# KiCad board ws2812-clock.kicad_pcb
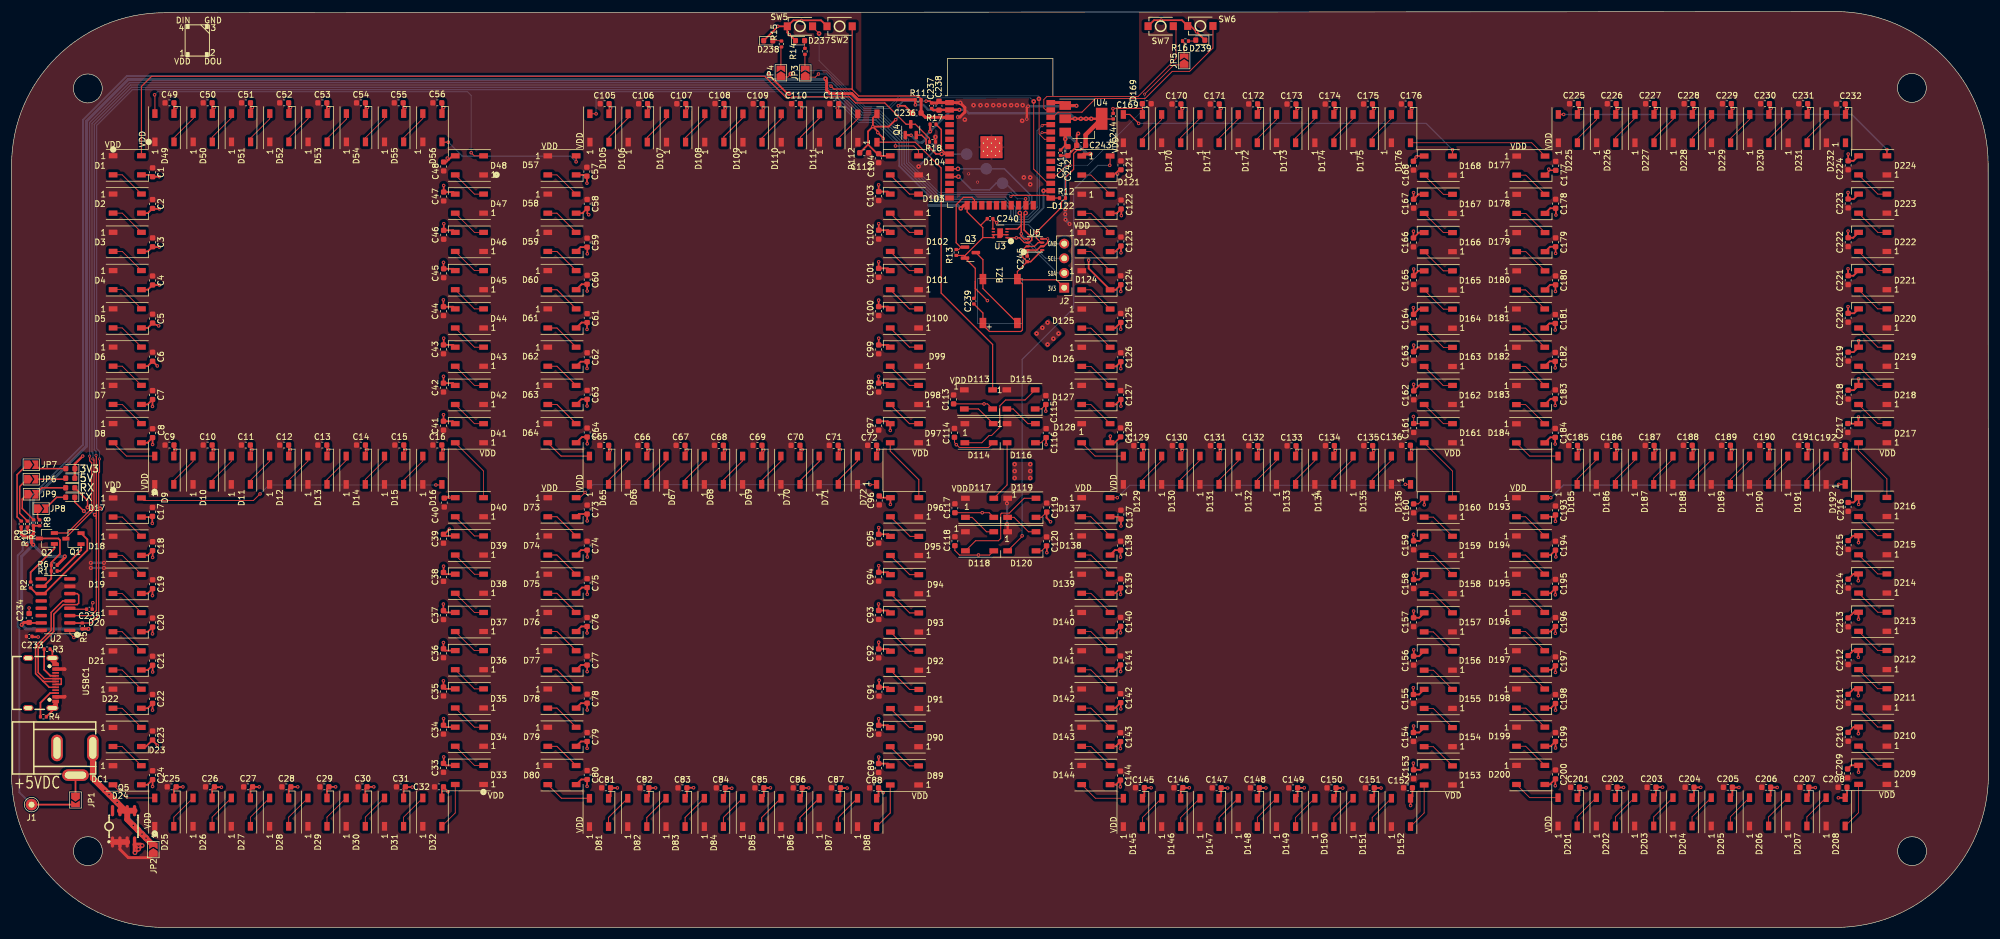
[diagram p0: board, top side]
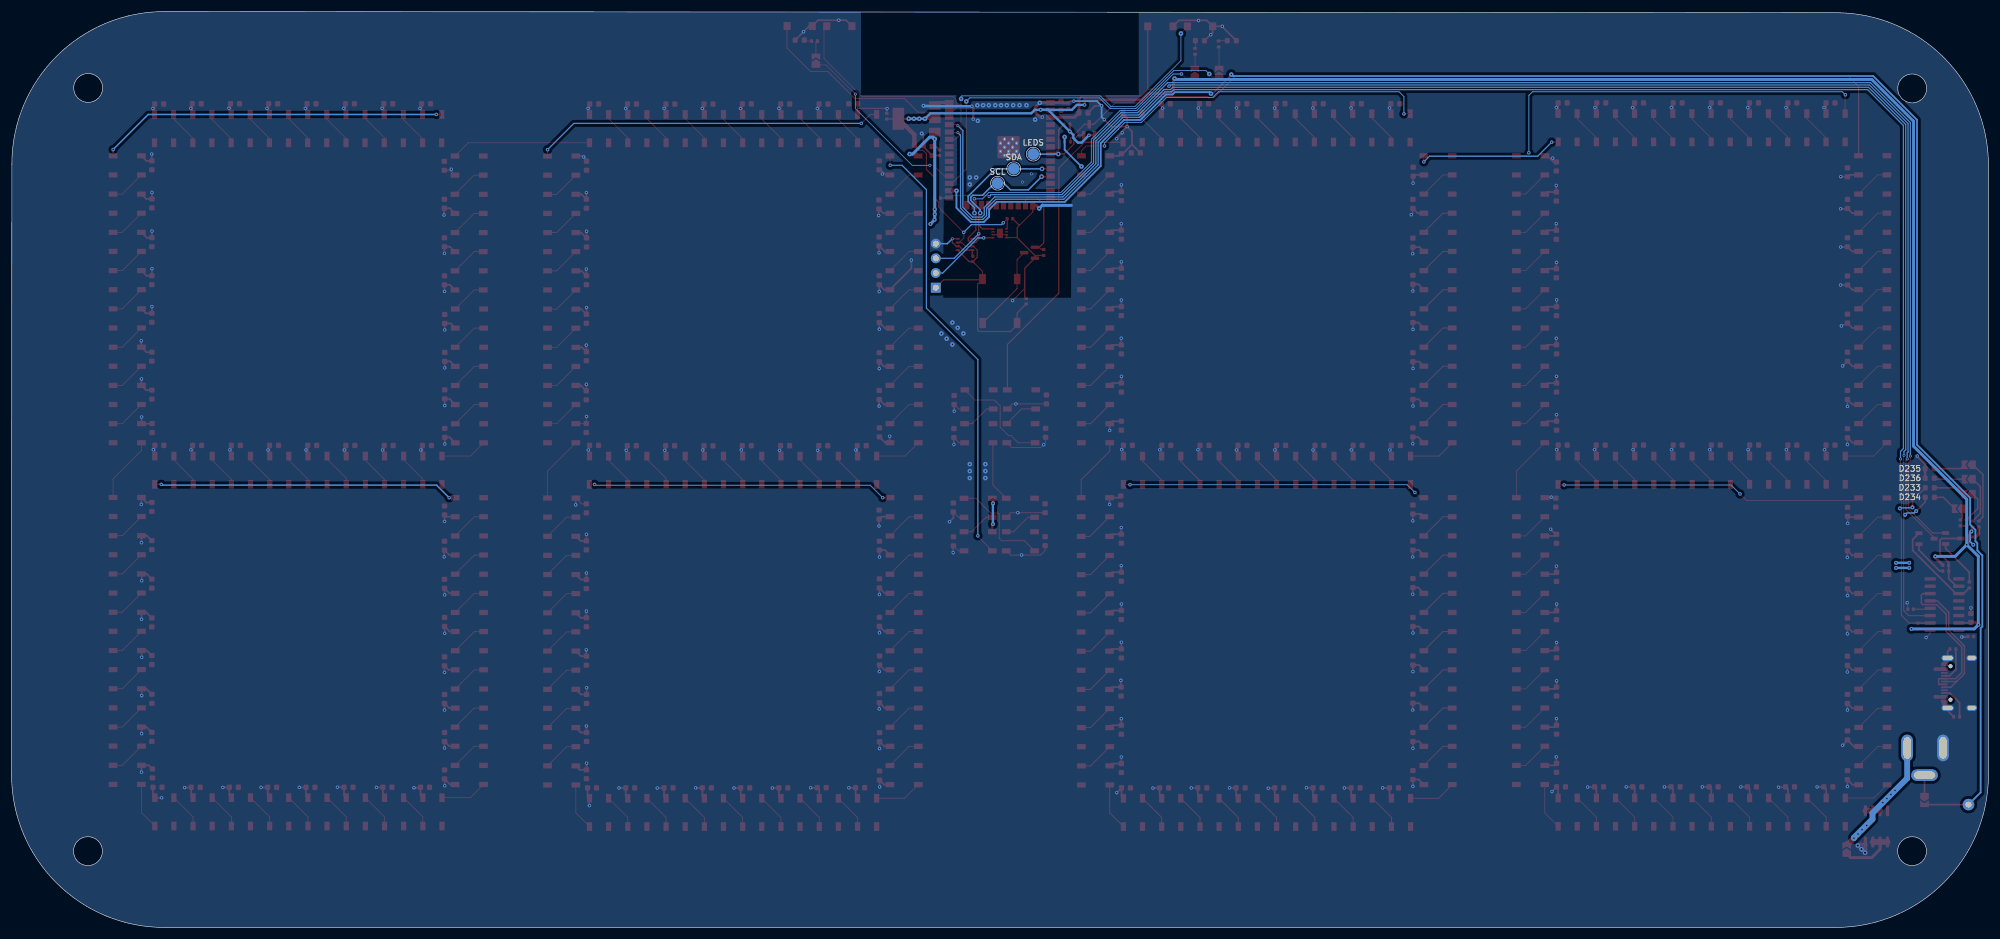
[diagram p1: board, bottom side, seen from below]

Outline 341.75 x 158.45 mm; copper layers: Top, Bottom. Coordinates in mm from the lower left corner of the outline.
Outline path: circle c13.18,145.15 r2.5 ; circle c13.2,13.2 r2.5 ; circle c328.51,145.24 r2.5 ; circle c328.55,13.2 r2.5 ; 0,131.85 arc(7.73,150.52) 26.4,158.25 315.3,158.45 arc(333.97,150.72) 341.7,132.05 341.75,26.4 arc(334.02,7.73) 315.35,0 26.4,0 arc(7.73,7.73) 0,26.4 0,131.85
Stack: Top 0.035mm / dielectric 1.51mm FR4 er 4.5 / Bottom 0.035mm

## Placement (name value [footprint] x y rotation side)
BZ1  -  [Buzzer]  170.9 108.37 90 top
C1  100n  [C_0603_1608Metric]  24.38 130.65 270 top
C2  100n  [C_0603_1608Metric]  24.38 125.17 270 top
C3  100n  [C_0603_1608Metric]  24.38 118.54 270 top
C4  100n  [C_0603_1608Metric]  24.38 111.93 270 top
C5  100n  [C_0603_1608Metric]  24.38 105.33 270 top
C6  100n  [C_0603_1608Metric]  24.38 98.74 270 top
C7  100n  [C_0603_1608Metric]  24.38 92.12 270 top
C8  100n  [C_0603_1608Metric]  24.38 85.52 270 top
C9  100n  [C_0603_1608Metric]  27.3 83.45 0 top
C10  100n  [C_0603_1608Metric]  33.9 83.45 0 top
C11  100n  [C_0603_1608Metric]  40.5 83.45 0 top
C12  100n  [C_0603_1608Metric]  47.13 83.45 0 top
C13  100n  [C_0603_1608Metric]  53.73 83.45 0 top
C14  100n  [C_0603_1608Metric]  60.4 83.45 0 top
C15  100n  [C_0603_1608Metric]  67.03 83.45 0 top
C16  100n  [C_0603_1608Metric]  73.6 83.45 0 top
C17  100n  [C_0603_1608Metric]  24.35 71.9 270 top
C18  100n  [C_0603_1608Metric]  24.38 65.97 270 top
C19  100n  [C_0603_1608Metric]  24.38 59.38 270 top
C20  100n  [C_0603_1608Metric]  24.38 52.75 270 top
C21  100n  [C_0603_1608Metric]  24.38 46.15 270 top
C22  100n  [C_0603_1608Metric]  24.38 39.54 270 top
C23  100n  [C_0603_1608Metric]  24.38 33.22 270 top
C24  100n  [C_0603_1608Metric]  24.38 26.35 270 top
C25  100n  [C_0603_1608Metric]  27.68 24.32 0 top
C26  100n  [C_0603_1608Metric]  34.3 24.32 0 top
C27  100n  [C_0603_1608Metric]  40.89 24.32 0 top
C28  100n  [C_0603_1608Metric]  47.5 24.32 0 top
C29  100n  [C_0603_1608Metric]  54.08 24.32 0 top
C30  100n  [C_0603_1608Metric]  60.68 24.32 0 top
C31  100n  [C_0603_1608Metric]  67.3 24.32 0 top
C32  100n  [C_0603_1608Metric]  73.89 24.32 0 top
C33  100n  [C_0603_1608Metric]  74.67 27.6 90 top
C34  100n  [C_0603_1608Metric]  74.67 34.21 90 top
C35  100n  [C_0603_1608Metric]  74.67 40.81 90 top
C36  100n  [C_0603_1608Metric]  74.67 47.43 90 top
C37  100n  [C_0603_1608Metric]  74.67 54.02 90 top
C38  100n  [C_0603_1608Metric]  74.67 60.64 90 top
C39  100n  [C_0603_1608Metric]  74.67 67.24 90 top
C40  100n  [C_0603_1608Metric]  74.8 73.5 90 top
C41  100n  [C_0603_1608Metric]  74.67 86.8 90 top
C42  100n  [C_0603_1608Metric]  74.67 93.39 90 top
C43  100n  [C_0603_1608Metric]  74.67 100.01 90 top
C44  100n  [C_0603_1608Metric]  74.67 106.61 90 top
C45  100n  [C_0603_1608Metric]  74.7 113.17 90 top
C46  100n  [C_0603_1608Metric]  74.7 119.82 90 top
C47  100n  [C_0603_1608Metric]  74.7 126.45 90 top
C48  100n  [C_0603_1608Metric]  74.7 131.65 90 top
C49  100n  [C_0603_1608Metric]  27.3 142.65 0 top
C50  100n  [C_0603_1608Metric]  33.9 142.65 0 top
C51  100n  [C_0603_1608Metric]  40.52 142.65 0 top
C52  100n  [C_0603_1608Metric]  47.13 142.65 0 top
C53  100n  [C_0603_1608Metric]  53.73 142.65 0 top
C54  100n  [C_0603_1608Metric]  60.4 142.65 0 top
C55  100n  [C_0603_1608Metric]  66.93 142.65 0 top
C56  100n  [C_0603_1608Metric]  73.6 142.65 0 top
C57  100n  [C_0603_1608Metric]  99.45 130.75 270 top
C58  100n  [C_0603_1608Metric]  99.5 125.17 270 top
C59  100n  [C_0603_1608Metric]  99.5 118.47 270 top
C60  100n  [C_0603_1608Metric]  99.5 112.05 270 top
C61  100n  [C_0603_1608Metric]  99.5 105.42 270 top
C62  100n  [C_0603_1608Metric]  99.5 98.65 270 top
C63  100n  [C_0603_1608Metric]  99.5 92.15 270 top
C64  100n  [C_0603_1608Metric]  99.5 85.62 270 top
C65  100n  [C_0603_1608Metric]  102.45 83.4 0 top
C66  100n  [C_0603_1608Metric]  109.05 83.4 0 top
C67  100n  [C_0603_1608Metric]  115.65 83.4 0 top
C68  100n  [C_0603_1608Metric]  122.28 83.4 0 top
C69  100n  [C_0603_1608Metric]  128.95 83.4 0 top
C70  100n  [C_0603_1608Metric]  135.53 83.4 0 top
C71  100n  [C_0603_1608Metric]  142.12 83.4 0 top
C72  100n  [C_0603_1608Metric]  148.76 83.41 0 top
C73  100n  [C_0603_1608Metric]  99.5 72.3 270 top
C74  100n  [C_0603_1608Metric]  99.5 66.05 270 top
C75  100n  [C_0603_1608Metric]  99.5 59.57 270 top
C76  100n  [C_0603_1608Metric]  99.5 52.85 270 top
C77  100n  [C_0603_1608Metric]  99.5 46.17 270 top
C78  100n  [C_0603_1608Metric]  99.5 39.57 270 top
C79  100n  [C_0603_1608Metric]  99.5 32.95 270 top
C80  100n  [C_0603_1608Metric]  99.5 26.38 270 top
C81  100n  [C_0603_1608Metric]  102.78 24.15 0 top
C82  100n  [C_0603_1608Metric]  109.4 24.15 0 top
C83  100n  [C_0603_1608Metric]  115.97 24.15 0 top
C84  100n  [C_0603_1608Metric]  122.6 24.15 0 top
C85  100n  [C_0603_1608Metric]  129.28 24.15 0 top
C86  100n  [C_0603_1608Metric]  135.9 24.15 0 top
C87  100n  [C_0603_1608Metric]  142.5 24.15 0 top
C88  100n  [C_0603_1608Metric]  149.1 24.15 0 top
C89  100n  [C_0603_1608Metric]  149.9 27.57 90 top
C90  100n  [C_0603_1608Metric]  149.9 34.2 90 top
C91  100n  [C_0603_1608Metric]  149.95 40.8 90 top
C92  100n  [C_0603_1608Metric]  149.9 47.4 90 top
C93  100n  [C_0603_1608Metric]  149.9 54.05 90 top
C94  100n  [C_0603_1608Metric]  149.9 60.67 90 top
C95  100n  [C_0603_1608Metric]  149.9 67.25 90 top
C96  100n  [C_0603_1608Metric]  150 73.88 90 top
C97  100n  [C_0603_1608Metric]  149.9 86.8 90 top
C98  100n  [C_0603_1608Metric]  149.9 93.4 90 top
C99  100n  [C_0603_1608Metric]  149.9 100 90 top
C100  100n  [C_0603_1608Metric]  149.9 106.62 90 top
C101  100n  [C_0603_1608Metric]  149.9 113.25 90 top
C102  100n  [C_0603_1608Metric]  149.9 119.85 90 top
C103  100n  [C_0603_1608Metric]  149.9 126.52 90 top
C104  100n  [C_0603_1608Metric]  149.9 133.07 90 top
C105  100n  [C_0603_1608Metric]  102.53 142.5 0 top
C106  100n  [C_0603_1608Metric]  109.17 142.5 0 top
C107  100n  [C_0603_1608Metric]  115.78 142.5 0 top
C108  100n  [C_0603_1608Metric]  122.38 142.52 0 top
C109  100n  [C_0603_1608Metric]  128.97 142.5 0 top
C110  100n  [C_0603_1608Metric]  135.6 142.5 0 top
C111  100n  [C_0603_1608Metric]  142.22 142.5 0 top
C112  100n  [C_0603_1608Metric]  147.4 134.01 180 top
C113  100n  [C_0603_1608Metric]  162.85 91.35 270 top
C114  100n  [C_0603_1608Metric]  163 85.57 270 top
C115  100n  [C_0603_1608Metric]  178.8 91.25 270 top
C116  100n  [C_0603_1608Metric]  178.85 85.52 270 top
C117  100n  [C_0603_1608Metric]  163.07 72.52 270 top
C118  100n  [C_0603_1608Metric]  163.07 66.82 270 top
C119  100n  [C_0603_1608Metric]  178.95 72.65 270 top
C120  100n  [C_0603_1608Metric]  178.92 66.8 270 top
C121  100n  [C_0603_1608Metric]  191.78 131.85 270 top
C122  100n  [C_0603_1608Metric]  191.8 125.07 270 top
C123  100n  [C_0603_1608Metric]  191.78 118.67 270 top
C124  100n  [C_0603_1608Metric]  191.75 111.97 270 top
C125  100n  [C_0603_1608Metric]  191.75 105.45 270 top
C126  100n  [C_0603_1608Metric]  191.75 98.65 270 top
C127  100n  [C_0603_1608Metric]  191.75 92.12 270 top
C128  100n  [C_0603_1608Metric]  191.72 85.65 270 top
C129  100n  [C_0603_1608Metric]  194.78 83.35 0 top
C130  100n  [C_0603_1608Metric]  201.42 83.35 0 top
C131  100n  [C_0603_1608Metric]  208.03 83.35 0 top
C132  100n  [C_0603_1608Metric]  214.65 83.35 0 top
C133  100n  [C_0603_1608Metric]  221.28 83.32 0 top
C134  100n  [C_0603_1608Metric]  227.9 83.35 0 top
C135  100n  [C_0603_1608Metric]  234.53 83.35 0 top
C136  100n  [C_0603_1608Metric]  241.05 83.4 0 top
C137  100n  [C_0603_1608Metric]  191.78 71.42 270 top
C138  100n  [C_0603_1608Metric]  191.72 66.05 270 top
C139  100n  [C_0603_1608Metric]  191.72 59.52 270 top
C140  100n  [C_0603_1608Metric]  191.72 52.88 270 top
C141  100n  [C_0603_1608Metric]  191.7 46.2 270 top
C142  100n  [C_0603_1608Metric]  191.72 39.67 270 top
C143  100n  [C_0603_1608Metric]  191.7 32.92 270 top
C144  100n  [C_0603_1608Metric]  191.7 26.27 270 top
C145  100n  [C_0603_1608Metric]  195.05 24.17 0 top
C146  100n  [C_0603_1608Metric]  201.7 24.17 0 top
C147  100n  [C_0603_1608Metric]  208.32 24.15 0 top
C148  100n  [C_0603_1608Metric]  214.92 24.15 0 top
C149  100n  [C_0603_1608Metric]  221.55 24.15 0 top
C150  100n  [C_0603_1608Metric]  228.17 24.15 0 top
C151  100n  [C_0603_1608Metric]  234.8 24.15 0 top
C152  100n  [C_0603_1608Metric]  241.4 24.15 0 top
C153  100n  [C_0603_1608Metric]  242.37 26.5 90 top
C154  100n  [C_0603_1608Metric]  242.35 32.95 90 top
C155  100n  [C_0603_1608Metric]  242.35 39.52 90 top
C156  100n  [C_0603_1608Metric]  242.37 46.15 90 top
C157  100n  [C_0603_1608Metric]  242.37 52.8 90 top
C158  100n  [C_0603_1608Metric]  242.37 59.4 90 top
C159  100n  [C_0603_1608Metric]  242.37 66.1 90 top
C160  100n  [C_0603_1608Metric]  242.37 72.5 90 top
C161  100n  [C_0603_1608Metric]  242.4 86.4 90 top
C162  100n  [C_0603_1608Metric]  242.4 92.05 90 top
C163  100n  [C_0603_1608Metric]  242.37 98.82 90 top
C164  100n  [C_0603_1608Metric]  242.37 105.3 90 top
C165  100n  [C_0603_1608Metric]  242.37 111.97 90 top
C166  100n  [C_0603_1608Metric]  242.35 118.5 90 top
C167  100n  [C_0603_1608Metric]  242.37 125.2 90 top
C168  100n  [C_0603_1608Metric]  242.35 131.77 90 top
C169  100n  [C_0603_1608Metric]  196.25 142.5 180 top
C170  100n  [C_0603_1608Metric]  201.38 142.45 0 top
C171  100n  [C_0603_1608Metric]  208 142.45 0 top
C172  100n  [C_0603_1608Metric]  214.64 142.46 0 top
C173  100n  [C_0603_1608Metric]  221.26 142.44 0 top
C174  100n  [C_0603_1608Metric]  227.87 142.44 0 top
C175  100n  [C_0603_1608Metric]  234.49 142.45 0 top
C176  100n  [C_0603_1608Metric]  241.03 142.46 0 top
C177  100n  [C_0603_1608Metric]  266.95 131.76 270 top
C178  100n  [C_0603_1608Metric]  266.93 125.2 270 top
C179  100n  [C_0603_1608Metric]  266.92 118.54 270 top
C180  100n  [C_0603_1608Metric]  266.92 111.95 270 top
C181  100n  [C_0603_1608Metric]  266.87 105.27 270 top
C182  100n  [C_0603_1608Metric]  266.86 98.71 270 top
C183  100n  [C_0603_1608Metric]  266.87 92.23 270 top
C184  100n  [C_0603_1608Metric]  266.86 85.56 270 top
C185  100n  [C_0603_1608Metric]  269.94 83.38 0 top
C186  100n  [C_0603_1608Metric]  276.56 83.38 0 top
C187  100n  [C_0603_1608Metric]  283.18 83.38 0 top
C188  100n  [C_0603_1608Metric]  289.78 83.4 0 top
C189  100n  [C_0603_1608Metric]  296.38 83.4 0 top
C190  100n  [C_0603_1608Metric]  302.98 83.4 0 top
C191  100n  [C_0603_1608Metric]  309.68 83.4 0 top
C192  100n  [C_0603_1608Metric]  316.2 83.4 0 top
C193  100n  [C_0603_1608Metric]  266.9 72.15 270 top
C194  100n  [C_0603_1608Metric]  266.9 66.05 270 top
C195  100n  [C_0603_1608Metric]  266.9 59.45 270 top
C196  100n  [C_0603_1608Metric]  266.9 52.85 270 top
C197  100n  [C_0603_1608Metric]  266.9 46.05 270 top
C198  100n  [C_0603_1608Metric]  266.9 39.52 270 top
C199  100n  [C_0603_1608Metric]  266.9 32.95 270 top
C200  100n  [C_0603_1608Metric]  266.9 26.47 270 top
C201  100n  [C_0603_1608Metric]  270.28 24.25 0 top
C202  100n  [C_0603_1608Metric]  276.78 24.25 0 top
C203  100n  [C_0603_1608Metric]  283.5 24.25 0 top
C204  100n  [C_0603_1608Metric]  290.08 24.25 0 top
C205  100n  [C_0603_1608Metric]  296.7 24.25 0 top
C206  100n  [C_0603_1608Metric]  303.33 24.25 0 top
C207  100n  [C_0603_1608Metric]  309.93 24.25 0 top
C208  100n  [C_0603_1608Metric]  316.53 24.25 0 top
C209  100n  [C_0603_1608Metric]  317.4 26.65 90 top
C210  100n  [C_0603_1608Metric]  317.5 32.97 90 top
C211  100n  [C_0603_1608Metric]  317.5 39.55 90 top
C212  100n  [C_0603_1608Metric]  317.5 46.25 90 top
C213  100n  [C_0603_1608Metric]  317.5 52.77 90 top
C214  100n  [C_0603_1608Metric]  317.5 59.47 90 top
C215  100n  [C_0603_1608Metric]  317.5 66.15 90 top
C216  100n  [C_0603_1608Metric]  317.5 72.75 90 top
C217  100n  [C_0603_1608Metric]  317.45 86.4 90 top
C218  100n  [C_0603_1608Metric]  317.5 92.17 90 top
C219  100n  [C_0603_1608Metric]  317.5 98.75 90 top
C220  100n  [C_0603_1608Metric]  317.5 105.47 90 top
C221  100n  [C_0603_1608Metric]  317.5 111.97 90 top
C222  100n  [C_0603_1608Metric]  317.5 118.55 90 top
C223  100n  [C_0603_1608Metric]  317.5 125.25 90 top
C224  100n  [C_0603_1608Metric]  317.5 131.85 90 top
C225  100n  [C_0603_1608Metric]  270.1 142.5 0 top
C226  100n  [C_0603_1608Metric]  276.62 142.5 0 top
C227  100n  [C_0603_1608Metric]  283.25 142.5 0 top
C228  100n  [C_0603_1608Metric]  289.9 142.5 0 top
C229  100n  [C_0603_1608Metric]  296.53 142.5 0 top
C230  100n  [C_0603_1608Metric]  303.12 142.5 0 top
C231  100n  [C_0603_1608Metric]  309.73 142.5 0 top
C232  100n  [C_0603_1608Metric]  316.23 142.45 0 top
C233  100n  [C_0402_1005Metric]  3.05 50.35 180 top
C234  1u  [C_0603_1608Metric]  3.04 53.54 270 top
C235  100n  [C_0402_1005Metric]  13.45 55.05 180 top
C236  10u  [C_0603_1608Metric]  156.46 140.9 0 top
C237  100n  [C_0402_1005Metric]  159.06 142.16 270 top
C238  10u  [C_0603_1608Metric]  160.33 142.17 270 top
C239  100n  [C_0402_1005Metric]  166.35 108.35 270 top
C240  100n  [C_0402_1005Metric]  169.16 122.61 180 top
C241  100n  [C_0402_1005Metric]  181.35 134.02 90 top
C242  10u  [C_0603_1608Metric]  182.62 134.31 90 top
C243  10u  [C_0603_1608Metric]  184.9 135.31 180 top
C244  100n  [C_0402_1005Metric]  190.45 140.35 90 top
C245  100n  [C_0402_1005Metric]  175.57 115.66 90 top
D1  WS2812B  [LED_WS2812B_PLCC4_5.0x5.0mm_P3.2mm]  20 131.85 0 top
D2  WS2812B  [LED_WS2812B_PLCC4_5.0x5.0mm_P3.2mm]  20 125.23 0 top
D3  WS2812B  [LED_WS2812B_PLCC4_5.0x5.0mm_P3.2mm]  20 118.61 0 top
D4  WS2812B  [LED_WS2812B_PLCC4_5.0x5.0mm_P3.2mm]  20 111.99 0 top
D5  WS2812B  [LED_WS2812B_PLCC4_5.0x5.0mm_P3.2mm]  20 105.37 0 top
D6  WS2812B  [LED_WS2812B_PLCC4_5.0x5.0mm_P3.2mm]  20 98.75 0 top
D7  WS2812B  [LED_WS2812B_PLCC4_5.0x5.0mm_P3.2mm]  20 92.13 0 top
D8  WS2812B  [LED_WS2812B_PLCC4_5.0x5.0mm_P3.2mm]  20 85.51 0 top
D9  WS2812B  [LED_WS2812B_PLCC4_5.0x5.0mm_P3.2mm]  26.4 79.1 90 top
D10  WS2812B  [LED_WS2812B_PLCC4_5.0x5.0mm_P3.2mm]  33.02 79.1 90 top
D11  WS2812B  [LED_WS2812B_PLCC4_5.0x5.0mm_P3.2mm]  39.64 79.1 90 top
D12  WS2812B  [LED_WS2812B_PLCC4_5.0x5.0mm_P3.2mm]  46.26 79.1 90 top
D13  WS2812B  [LED_WS2812B_PLCC4_5.0x5.0mm_P3.2mm]  52.88 79.1 90 top
D14  WS2812B  [LED_WS2812B_PLCC4_5.0x5.0mm_P3.2mm]  59.5 79.1 90 top
D15  WS2812B  [LED_WS2812B_PLCC4_5.0x5.0mm_P3.2mm]  66.12 79.1 90 top
D16  WS2812B  [LED_WS2812B_PLCC4_5.0x5.0mm_P3.2mm]  72.74 79.1 90 top
D17  WS2812B  [LED_WS2812B_PLCC4_5.0x5.0mm_P3.2mm]  20 72.65 0 top
D18  WS2812B  [LED_WS2812B_PLCC4_5.0x5.0mm_P3.2mm]  20 66.03 0 top
D19  WS2812B  [LED_WS2812B_PLCC4_5.0x5.0mm_P3.2mm]  19.98 59.43 0 top
D20  WS2812B  [LED_WS2812B_PLCC4_5.0x5.0mm_P3.2mm]  19.98 52.81 0 top
D21  WS2812B  [LED_WS2812B_PLCC4_5.0x5.0mm_P3.2mm]  19.98 46.19 0 top
D22  WS2812B  [LED_WS2812B_PLCC4_5.0x5.0mm_P3.2mm]  19.98 39.57 0 top
D23  WS2812B  [LED_WS2812B_PLCC4_5.0x5.0mm_P3.2mm]  19.98 32.95 0 top
D24  WS2812B  [LED_WS2812B_PLCC4_5.0x5.0mm_P3.2mm]  19.98 26.33 0 top
D25  WS2812B  [LED_WS2812B_PLCC4_5.0x5.0mm_P3.2mm]  26.4 19.95 90 top
D26  WS2812B  [LED_WS2812B_PLCC4_5.0x5.0mm_P3.2mm]  33.02 19.95 90 top
D27  WS2812B  [LED_WS2812B_PLCC4_5.0x5.0mm_P3.2mm]  39.64 19.95 90 top
D28  WS2812B  [LED_WS2812B_PLCC4_5.0x5.0mm_P3.2mm]  46.26 19.95 90 top
D29  WS2812B  [LED_WS2812B_PLCC4_5.0x5.0mm_P3.2mm]  52.88 19.95 90 top
D30  WS2812B  [LED_WS2812B_PLCC4_5.0x5.0mm_P3.2mm]  59.5 19.95 90 top
D31  WS2812B  [LED_WS2812B_PLCC4_5.0x5.0mm_P3.2mm]  66.12 19.95 90 top
D32  WS2812B  [LED_WS2812B_PLCC4_5.0x5.0mm_P3.2mm]  72.74 19.95 90 top
D33  WS2812B  [LED_WS2812B_PLCC4_5.0x5.0mm_P3.2mm]  79.15 26.38 180 top
D34  WS2812B  [LED_WS2812B_PLCC4_5.0x5.0mm_P3.2mm]  79.15 33 180 top
D35  WS2812B  [LED_WS2812B_PLCC4_5.0x5.0mm_P3.2mm]  79.15 39.62 180 top
D36  WS2812B  [LED_WS2812B_PLCC4_5.0x5.0mm_P3.2mm]  79.15 46.24 180 top
D37  WS2812B  [LED_WS2812B_PLCC4_5.0x5.0mm_P3.2mm]  79.15 52.84 180 top
D38  WS2812B  [LED_WS2812B_PLCC4_5.0x5.0mm_P3.2mm]  79.15 59.46 180 top
D39  WS2812B  [LED_WS2812B_PLCC4_5.0x5.0mm_P3.2mm]  79.15 66.08 180 top
D40  WS2812B  [LED_WS2812B_PLCC4_5.0x5.0mm_P3.2mm]  79.15 72.7 180 top
D41  WS2812B  [LED_WS2812B_PLCC4_5.0x5.0mm_P3.2mm]  79.15 85.5 180 top
D42  WS2812B  [LED_WS2812B_PLCC4_5.0x5.0mm_P3.2mm]  79.15 92.12 180 top
D43  WS2812B  [LED_WS2812B_PLCC4_5.0x5.0mm_P3.2mm]  79.15 98.74 180 top
D44  WS2812B  [LED_WS2812B_PLCC4_5.0x5.0mm_P3.2mm]  79.15 105.36 180 top
D45  WS2812B  [LED_WS2812B_PLCC4_5.0x5.0mm_P3.2mm]  79.15 111.98 180 top
D46  WS2812B  [LED_WS2812B_PLCC4_5.0x5.0mm_P3.2mm]  79.15 118.6 180 top
D47  WS2812B  [LED_WS2812B_PLCC4_5.0x5.0mm_P3.2mm]  79.15 125.22 180 top
D48  WS2812B  [LED_WS2812B_PLCC4_5.0x5.0mm_P3.2mm]  79.15 131.84 180 top
D49  WS2812B  [LED_WS2812B_PLCC4_5.0x5.0mm_P3.2mm]  26.43 138.35 90 top
D50  WS2812B  [LED_WS2812B_PLCC4_5.0x5.0mm_P3.2mm]  33.05 138.35 90 top
D51  WS2812B  [LED_WS2812B_PLCC4_5.0x5.0mm_P3.2mm]  39.67 138.35 90 top
D52  WS2812B  [LED_WS2812B_PLCC4_5.0x5.0mm_P3.2mm]  46.29 138.35 90 top
D53  WS2812B  [LED_WS2812B_PLCC4_5.0x5.0mm_P3.2mm]  52.91 138.35 90 top
D54  WS2812B  [LED_WS2812B_PLCC4_5.0x5.0mm_P3.2mm]  59.53 138.35 90 top
D55  WS2812B  [LED_WS2812B_PLCC4_5.0x5.0mm_P3.2mm]  66.13 138.35 90 top
D56  WS2812B  [LED_WS2812B_PLCC4_5.0x5.0mm_P3.2mm]  72.75 138.35 90 top
D57  WS2812B  [LED_WS2812B_PLCC4_5.0x5.0mm_P3.2mm]  95.15 131.84 0 top
D58  WS2812B  [LED_WS2812B_PLCC4_5.0x5.0mm_P3.2mm]  95.15 125.22 0 top
D59  WS2812B  [LED_WS2812B_PLCC4_5.0x5.0mm_P3.2mm]  95.15 118.6 0 top
D60  WS2812B  [LED_WS2812B_PLCC4_5.0x5.0mm_P3.2mm]  95.15 111.98 0 top
D61  WS2812B  [LED_WS2812B_PLCC4_5.0x5.0mm_P3.2mm]  95.15 105.36 0 top
D62  WS2812B  [LED_WS2812B_PLCC4_5.0x5.0mm_P3.2mm]  95.15 98.74 0 top
D63  WS2812B  [LED_WS2812B_PLCC4_5.0x5.0mm_P3.2mm]  95.15 92.12 0 top
D64  WS2812B  [LED_WS2812B_PLCC4_5.0x5.0mm_P3.2mm]  95.15 85.5 0 top
D65  WS2812B  [LED_WS2812B_PLCC4_5.0x5.0mm_P3.2mm]  101.55 79.1 90 top
D66  WS2812B  [LED_WS2812B_PLCC4_5.0x5.0mm_P3.2mm]  108.17 79.1 90 top
D67  WS2812B  [LED_WS2812B_PLCC4_5.0x5.0mm_P3.2mm]  114.79 79.1 90 top
D68  WS2812B  [LED_WS2812B_PLCC4_5.0x5.0mm_P3.2mm]  121.41 79.1 90 top
D69  WS2812B  [LED_WS2812B_PLCC4_5.0x5.0mm_P3.2mm]  128.03 79.1 90 top
D70  WS2812B  [LED_WS2812B_PLCC4_5.0x5.0mm_P3.2mm]  134.65 79.1 90 top
D71  WS2812B  [LED_WS2812B_PLCC4_5.0x5.0mm_P3.2mm]  141.27 79.1 90 top
D72  WS2812B  [LED_WS2812B_PLCC4_5.0x5.0mm_P3.2mm]  147.89 79.1 90 top
D73  WS2812B  [LED_WS2812B_PLCC4_5.0x5.0mm_P3.2mm]  95.15 72.7 0 top
D74  WS2812B  [LED_WS2812B_PLCC4_5.0x5.0mm_P3.2mm]  95.15 66.08 0 top
D75  WS2812B  [LED_WS2812B_PLCC4_5.0x5.0mm_P3.2mm]  95.15 59.46 0 top
D76  WS2812B  [LED_WS2812B_PLCC4_5.0x5.0mm_P3.2mm]  95.15 52.84 0 top
D77  WS2812B  [LED_WS2812B_PLCC4_5.0x5.0mm_P3.2mm]  95.15 46.22 0 top
D78  WS2812B  [LED_WS2812B_PLCC4_5.0x5.0mm_P3.2mm]  95.15 39.6 0 top
D79  WS2812B  [LED_WS2812B_PLCC4_5.0x5.0mm_P3.2mm]  95.15 32.98 0 top
D80  WS2812B  [LED_WS2812B_PLCC4_5.0x5.0mm_P3.2mm]  95.15 26.36 0 top
D81  WS2812B  [LED_WS2812B_PLCC4_5.0x5.0mm_P3.2mm]  101.55 19.9 90 top
D82  WS2812B  [LED_WS2812B_PLCC4_5.0x5.0mm_P3.2mm]  108.17 19.9 90 top
D83  WS2812B  [LED_WS2812B_PLCC4_5.0x5.0mm_P3.2mm]  114.79 19.9 90 top
D84  WS2812B  [LED_WS2812B_PLCC4_5.0x5.0mm_P3.2mm]  121.41 19.9 90 top
D85  WS2812B  [LED_WS2812B_PLCC4_5.0x5.0mm_P3.2mm]  128.03 19.9 90 top
D86  WS2812B  [LED_WS2812B_PLCC4_5.0x5.0mm_P3.2mm]  134.65 19.9 90 top
D87  WS2812B  [LED_WS2812B_PLCC4_5.0x5.0mm_P3.2mm]  141.27 19.9 90 top
D88  WS2812B  [LED_WS2812B_PLCC4_5.0x5.0mm_P3.2mm]  147.89 19.9 90 top
D89  WS2812B  [LED_WS2812B_PLCC4_5.0x5.0mm_P3.2mm]  154.35 26.3 180 top
D90  WS2812B  [LED_WS2812B_PLCC4_5.0x5.0mm_P3.2mm]  154.35 32.92 180 top
D91  WS2812B  [LED_WS2812B_PLCC4_5.0x5.0mm_P3.2mm]  154.39 39.52 180 top
D92  WS2812B  [LED_WS2812B_PLCC4_5.0x5.0mm_P3.2mm]  154.39 46.14 180 top
D93  WS2812B  [LED_WS2812B_PLCC4_5.0x5.0mm_P3.2mm]  154.39 52.76 180 top
D94  WS2812B  [LED_WS2812B_PLCC4_5.0x5.0mm_P3.2mm]  154.39 59.38 180 top
D95  WS2812B  [LED_WS2812B_PLCC4_5.0x5.0mm_P3.2mm]  154.39 66 180 top
D96  WS2812B  [LED_WS2812B_PLCC4_5.0x5.0mm_P3.2mm]  154.39 72.7 180 top
D97  WS2812B  [LED_WS2812B_PLCC4_5.0x5.0mm_P3.2mm]  154.35 85.5 180 top
D98  WS2812B  [LED_WS2812B_PLCC4_5.0x5.0mm_P3.2mm]  154.35 92.12 180 top
D99  WS2812B  [LED_WS2812B_PLCC4_5.0x5.0mm_P3.2mm]  154.35 98.74 180 top
D100  WS2812B  [LED_WS2812B_PLCC4_5.0x5.0mm_P3.2mm]  154.35 105.36 180 top
D101  WS2812B  [LED_WS2812B_PLCC4_5.0x5.0mm_P3.2mm]  154.35 111.98 180 top
D102  WS2812B  [LED_WS2812B_PLCC4_5.0x5.0mm_P3.2mm]  154.35 118.6 180 top
D103  WS2812B  [LED_WS2812B_PLCC4_5.0x5.0mm_P3.2mm]  154.35 125.22 180 top
D104  WS2812B  [LED_WS2812B_PLCC4_5.0x5.0mm_P3.2mm]  154.35 131.84 180 top
D105  WS2812B  [LED_WS2812B_PLCC4_5.0x5.0mm_P3.2mm]  101.63 138.32 90 top
D106  WS2812B  [LED_WS2812B_PLCC4_5.0x5.0mm_P3.2mm]  108.25 138.32 90 top
D107  WS2812B  [LED_WS2812B_PLCC4_5.0x5.0mm_P3.2mm]  114.87 138.32 90 top
D108  WS2812B  [LED_WS2812B_PLCC4_5.0x5.0mm_P3.2mm]  121.49 138.32 90 top
D109  WS2812B  [LED_WS2812B_PLCC4_5.0x5.0mm_P3.2mm]  128.09 138.3 90 top
D110  WS2812B  [LED_WS2812B_PLCC4_5.0x5.0mm_P3.2mm]  134.71 138.3 90 top
D111  WS2812B  [LED_WS2812B_PLCC4_5.0x5.0mm_P3.2mm]  141.33 138.3 90 top
D112  WS2812B  [LED_WS2812B_PLCC4_5.0x5.0mm_P3.2mm]  147.95 138.3 90 top
D113  WS2812B  [LED_WS2812B_PLCC4_5.0x5.0mm_P3.2mm]  167.15 91.35 0 top
D114  WS2812B  [LED_WS2812B_PLCC4_5.0x5.0mm_P3.2mm]  167.25 85.5 0 top
D115  WS2812B  [LED_WS2812B_PLCC4_5.0x5.0mm_P3.2mm]  174.5 91.35 0 top